# Altium PCB Tango V1.0.PcbDoc (part 1 of 3) (continued)
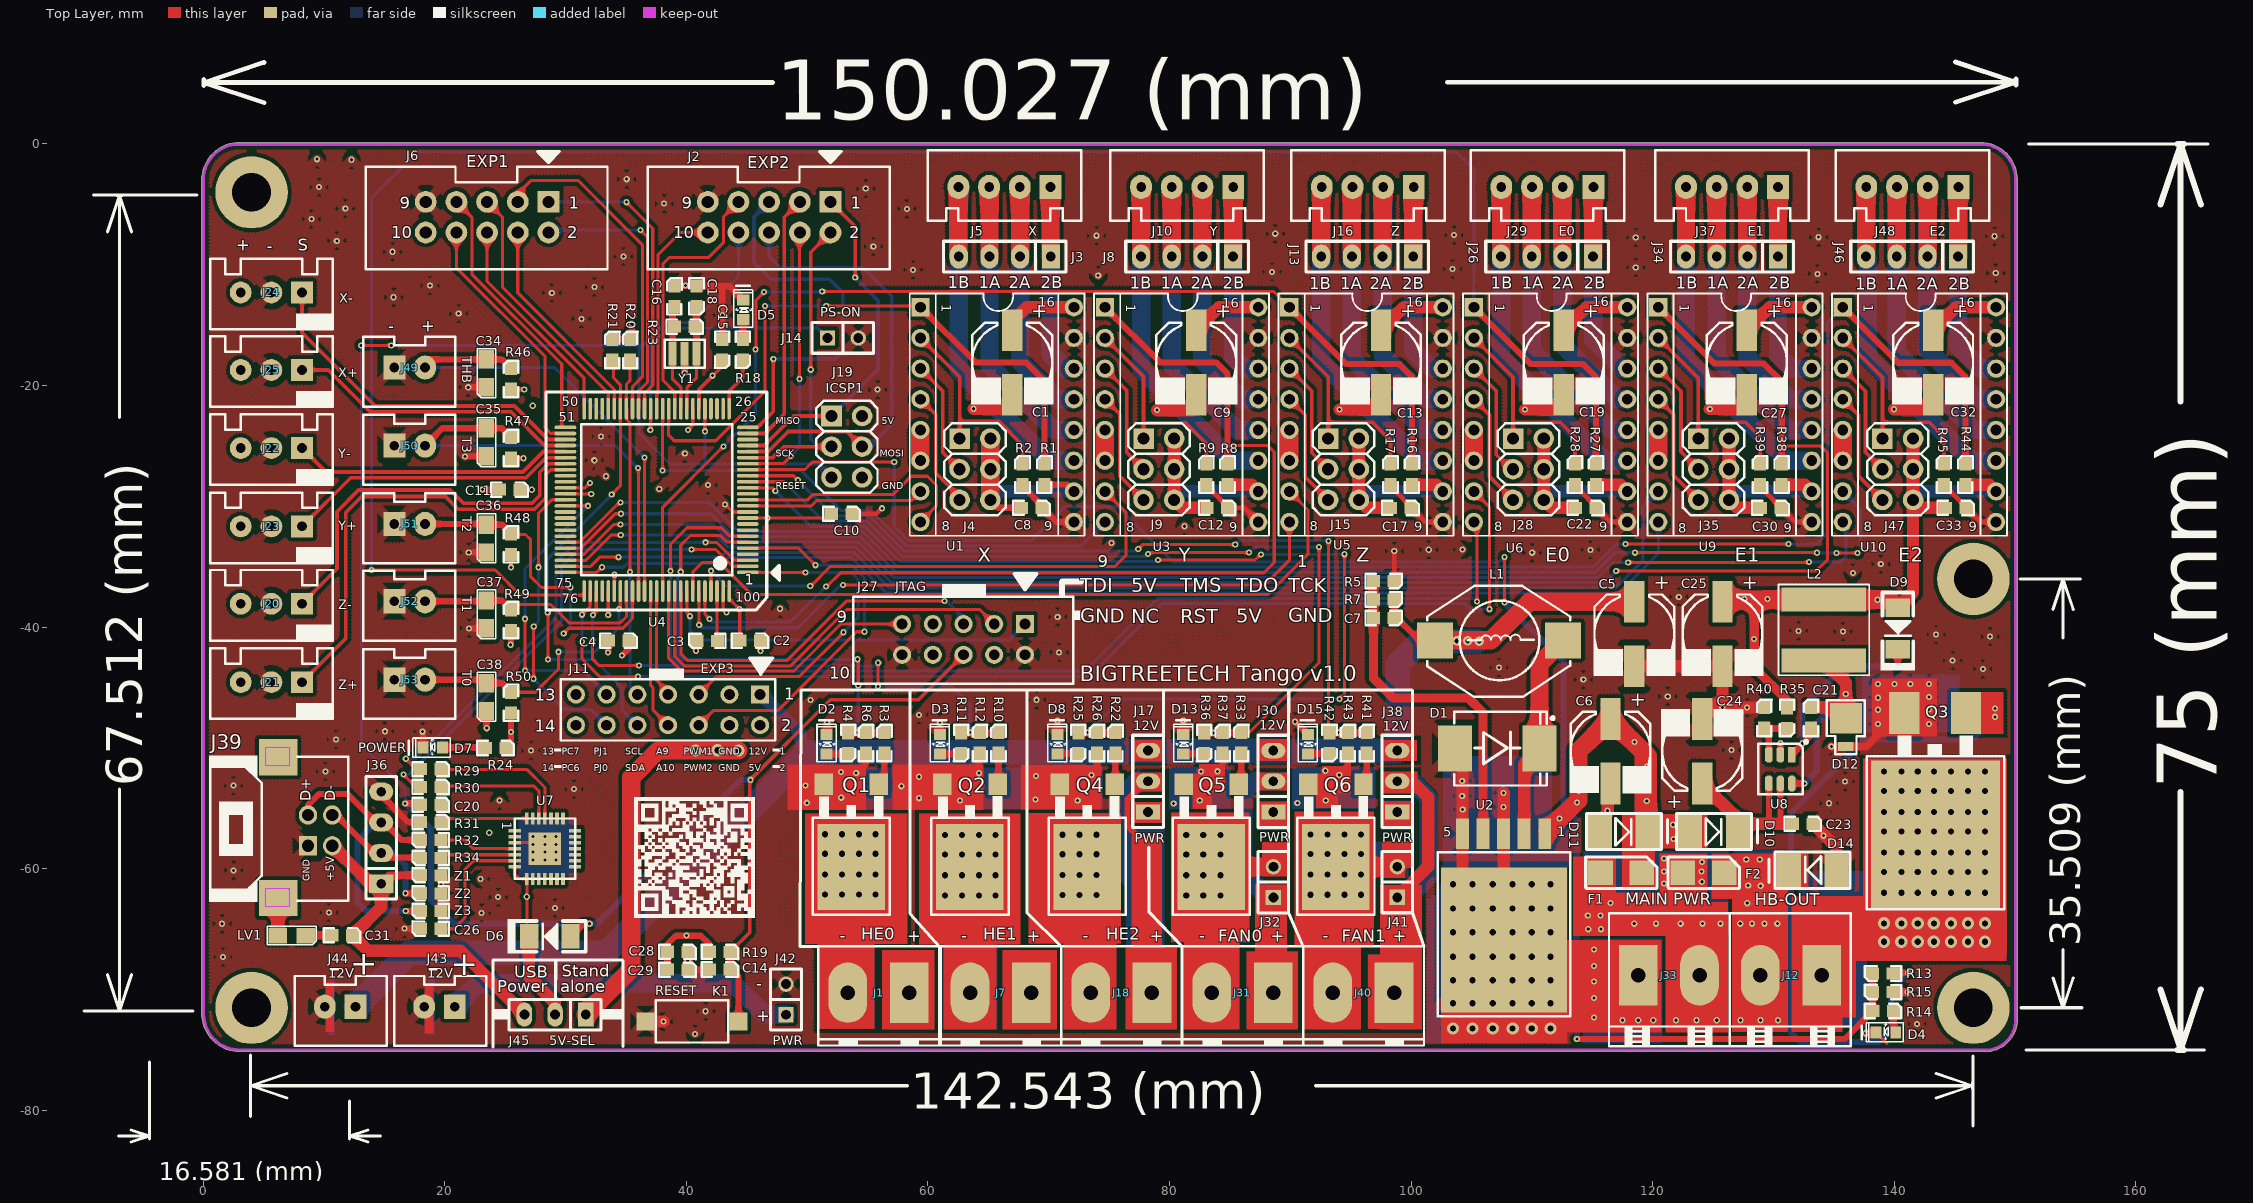
[diagram p0: Top Layer view]
## Components (designator, comment, footprint, x,y, rotation, side; value= is the part's Value field where it differs from the comment) (continued)
J16 "Z" 2.54-4P-2 100.225,-3.555 r270 top locked
J17 "VHE2" SIP3 78.297,-52.8 r90 top
J18 "HE2" 5.08-2-B 78.541,-70.259 r180 top locked
J19 "ICSP1" "Header 3X2" 54.606,-22.444 r270 top locked
J20 "Z-" 2.54-3P-2 8.181,-38.063 r180 top locked
J21 "Z+" 2.54-3P-2 8.181,-44.554 r180 top locked
J22 "Y-" 2.54-3P-2 8.181,-25.175 r180 top locked
J23 "Y+" 2.54-3P-2 8.181,-31.658 r180 top locked
J24 "X-" 2.54-3P-2 8.181,-12.293 r180 top locked
J25 "X+" 2.54-3P-2 8.181,-18.709 r180 top locked
J26 "SIP4" SIP4 107.444,-9.324 r180 top
J27 "JTAG" "Header 5X2" 61.381,-41.971 r0 top locked
J28 "SW-DIP-3A" "Header 3X2-B" 109.643,-27.096 r270 top
J29 "E0" 2.54-4P-2 115.09,-3.555 r270 top locked
J30 "VFA0" SIP3 88.666,-52.8 r90 top
J31 "FAN0" 5.08-2-B 88.574,-70.259 r180 top locked
J32 "SIP2" SIP2 88.568,-61.668 r90 top
J33 "MAIN PWR" 5.08-2 118.793,-68.82 r0 top locked
J34 "SIP4" SIP4 122.754,-9.324 r180 top
J35 "SW-DIP-3A" "Header 3X2-B" 124.98,-27.096 r270 top
J36 "SIP4" SIP4 14.731,-53.622 r90 top
J37 "E1" 2.54-4P-2 130.374,-3.555 r270 top locked
J38 "VFA1" SIP3 98.925,-52.8 r90 top
J39 "USB" USB-B-3 7.14,-61.667 r0 top locked
J40 "FAN1" 5.08-2-B 98.581,-70.259 r180 top locked
J41 "SIP2" SIP2 98.824,-61.662 r90 top
J42 "PWR" SIP2 48.221,-71.384 r90 top
J43 "12V" 2.54-2P-2#1 20.835,-71.437 r270 top
J44 "12V" 2.54-2P-2#1 12.613,-71.437 r270 top
J45 "5V-SEL" SIP3 29.166,-72.003 r180 top
J46 "SIP4" SIP4 137.662,-9.324 r180 top
J47 "SW-DIP-3A" "Header 3X2-B" 140.222,-27.096 r270 top
J48 "E2" 2.54-4P-2 145.308,-3.555 r270 top locked
J49 "THB" 2.54-2P-2#2 15.819,-18.521 r270 top locked
J50 "T3" 2.54-2P-2#2 15.819,-24.987 r270 top locked
J51 "T2" 2.54-2P-2#2 15.819,-31.47 r270 top locked
J52 "T1" 2.54-2P-2#2 15.819,-37.875 r270 top locked
J53 "T0" 2.54-2P-2#2 15.819,-44.366 r270 top locked
K1 "RESET" K-VX 40.415,-72.749 r180 top
L1 "47MH" 15MH 106.862,-41.076 r270 top
L2 "33MH" 7.5*7.5 130.413,-43.97 r90 top
LV1 "BLM21PG220SN1D" 0805N 7.215,-65.498 r180 top
Q1 "WSF3085" TO-252-B 53.534,-59.807 r180 top
Q2 "WSF3085" TO-252-B 63.361,-59.807 r180 top
Q3 "WSK220N04" TO-263-B 143.581,-57.297 r180 top locked
Q4 "WSF3085" TO-252-B 73.07,-59.807 r180 top
Q5 "WSF3085" TO-252-B 83.342,-59.807 r180 top
Q6 "WSF3085" TO-252-B 93.654,-59.807 r180 top
R1 "10K" 0603N#1 69.591,-28.161 r90 top
R2 "100K" 0603N#1 67.783,-28.161 r90 top
R3 "10R" 0603N#1 56.346,-50.396 r90 top
R4 "1K" 0603N#1 53.433,-48.782 r270 top
R5 "1K" 0603N#2 96.926,-36.225 r0 top
R6 "100K" 0603N#1 54.828,-50.396 r90 top
R7 "9.1K" 0603N#2 96.926,-37.752 r0 top
R8 "10K" 0603N#1 84.758,-28.161 r90 top
R9 "100K" 0603N#1 82.994,-28.161 r90 top
R10 "10R" 0603N#1 65.791,-50.396 r90 top
R11 "1K" 0603N#1 62.79,-48.782 r270 top
R12 "100K" 0603N#1 64.243,-50.396 r90 top
R13 "10R" 0603N#1 139.871,-68.715 r180 top
R14 "1K" 0603N#1 138.257,-71.734 r0 top
R15 "100K" 0603N#1 139.871,-70.259 r180 top
R16 "10K" 0603N#1 100.018,-28.161 r90 top
R17 "100K" 0603N#1 98.246,-28.161 r90 top
R18 "1K" 0603N#1 44.716,-16.227 r270 top
R19 "10K" 0603N#1 41.958,-66.831 r0 top
R20 "10K" 0603N#1 35.305,-17.862 r90 top
R21 "10K" 0603N#1 33.822,-17.862 r90 top
R22 "10R" 0603N#1 75.472,-50.396 r90 top
R23 "1M" 0603N#1 39.054,-15.081 r0 top
R24 "1K" 0603N#1 23.397,-49.966 r0 top
R25 "1K" 0603N#1 72.485,-48.782 r270 top
R26 "100K" 0603N#1 73.953,-50.396 r90 top
R27 "10K" 0603N#1 115.25,-28.161 r90 top
R28 "100K" 0603N#1 113.51,-28.161 r90 top
R29 "1K" 0603N#1 18.025,-51.717 r0 top
R30 "1K" 0603N#1 18.025,-53.182 r0 top
R31 "1K" 0603N#1 18.025,-56.105 r0 top
R32 "22R" 0603N#1 19.639,-57.675 r180 top
R33 "10R" 0603N#1 85.894,-50.396 r90 top
R34 "22R" 0603N#1 19.639,-59.153 r180 top
R35 "51K" 0603N#1 131.164,-46.71 r270 top
R36 "1K" 0603N#1 82.914,-48.782 r270 top
R37 "100K" 0603N#1 84.349,-50.396 r90 top
R38 "10K" 0603N#1 130.628,-28.161 r90 top
R39 "100K" 0603N#1 128.845,-28.161 r90 top
R40 "10K" 0603N#1 129.186,-48.324 r90 top
R41 "10R" 0603N#1 96.28,-50.396 r90 top
R42 "1K" 0603N#1 93.279,-48.782 r270 top
R43 "100K" 0603N#1 94.715,-50.396 r90 top
R44 "10K" 0603N#1 145.839,-28.161 r90 top
R45 "100K" 0603N#1 144.052,-28.161 r90 top
R46 "4.7K" 0603N#1 25.436,-20.268 r90 top
R47 "4.7K" 0603N#1 25.436,-25.974 r90 top
R48 "4.7K" 0603N#1 25.436,-33.944 r90 top
R49 "4.7K" 0603N#1 25.436,-40.229 r90 top
R50 "4.7K" 0603N#1 25.436,-47.065 r90 top
U1 "A4988" A4988 72.106,-13.503 r270 top locked
U2 "LM2596-ADJ" TO-263(S) 113.171,-72.185 r180 top locked
U3 "A4988" A4988 87.377,-13.503 r270 top locked
U4 "ATMEGA2560-16AU-2" TQFP-100-B 36.747,-29.296 r180 top locked
U5 "A4988" A4988 102.649,-13.503 r270 top locked
U6 "A4988" A4988 117.92,-13.503 r270 top locked
U7 "CP2102" QFN-28 28.142,-58.366 r0 top
U8 "LT193ES6" SOT23-6 131.192,-51.88 r180 top
U9 "A4988" A4988 133.192,-13.503 r270 top locked
U10 "A4988" A4988 148.463,-13.503 r270 top locked
Y1 "16MHZ" SMD-3 39.857,-17.374 r180 top
Z1 "JLV1608A5R0NPST" 0603N#1 19.639,-60.586 r180 top
Z2 "JLV1608A5R0NPST" 0603N#1 19.639,-62.083 r180 top
Z3 "JLV1608A5R0NPST" 0603N#1 19.639,-63.537 r180 top

## Footprints (in the part's own frame and the unit in brackets; to place one, negate y for a bottom-side part, rotate by r counter-clockwise, add the part's x,y. Pads: shape width x height; smd on the part's side, far side on the other; paste and mask are expansions set on the pad)
2.54-2P-2#1 [mm] "J?"
  rect 2x1.8 hole 0.8: 1(-0.015,-0.005)
  oval 2x1.8 hole 0.8: 2(-0.015,-2.545)
  silkscreen extent -2.56,-5.03 3.24,2.59
2.54-2P-2#2 [mm] "J?"
  rect 2x1.8 hole 0.8: 1(-0.015,0.005)
  oval 2x1.8 hole 0.8: 2(-0.015,2.545)
  silkscreen extent -2.56,-2.59 3.24,5.03
2.54-3P-2 [mm] "J?"
  rect 1.8x1.8 hole 0.8: 1(0,0)
  round 1.8 hole 0.8: 2(2.54,0) 3(5.08,0)
  silkscreen extent -2.54,-2.79 7.62,3.05
2.54-4P-2 [mm] "J?"
  rect 2x1.8 hole 0.8: 1(0,0)
  oval 2x1.8 hole 0.8: 2(0,-2.54) 3(0,-5.08) 4(0,-7.62)
  silkscreen extent -3.05,-10.16 2.79,2.54
5.08-2 [mm] "J?"
  rect 3.2x5 hole 1.2: 1(0,0)
  oval 3.2x5 hole 1.2: 2(5.08,0)
  silkscreen extent -2.41,-5.13 7.59,5.87
5.08-2-B [mm] "J?"
  rect 3.2x5 hole 1.2: 1(0,0)
  oval 3.2x5 hole 1.2: 2(5.08,0)
  silkscreen extent -2.48,-3.83 7.52,4.4
7.5*7.5 [mm] "L?"
  rect 2x7 smd: 1(1.207,-3.731) 2(6.251,-3.731)
  silkscreen extent 0,-7.5 7.5,0
15MH [mm] "L?"
  rect 3x3 smd: 1(0.025,5.707) 2(0.025,-4.884)
  silkscreen extent -4.5,-5.54 4.7,6.29
35V/100UF-2 [mil] "C?"
  rect 66x136 smd: 1(1.5,109.7) 2(1.5,-100.3)
  silkscreen extent -130,-132 135,134
0603N#1 [mm]
  rect 1.1x1 smd: 1(-0.044,-0.041) 2(1.676,-0.051)
  silkscreen extent -0.7,-0.65 2.32,0.55
0603N#2 [mm]
  rect 1.1x1 smd: 1(-0.044,0.041) 2(1.676,0.051)
  silkscreen extent -0.7,-0.55 2.32,0.65
0805N [mil]
  rect 60x50 smd: 1(-50,2) 2(41,2)
  silkscreen extent -84,-29 76,32
1206 [mil]
  rect 80x80 smd: 1(-59,-5) 2(76,-5)
  silkscreen extent -108,-56 124,46
1206-DIDEO [mil] "D?"
  rect 60x78.74 smd: 1(-82,1) 2(53,1)
  silkscreen extent -132,-55 123,57
A4988 [mm] "U?"
  rect 1.51x1.51 hole 0.9: 1(0.013,-12.732)
  round 1.51 hole 0.9: 2(2.553,-12.732) 3(5.093,-12.732) 4(7.633,-12.732) 5(10.173,-12.732) 6(12.713,-12.732) 7(15.253,-12.732) 8(17.793,-12.732) 9(17.793,-0.032) 10(15.253,-0.032) 11(12.713,-0.032) 12(10.173,-0.032) 13(7.633,-0.032) 14(5.093,-0.032) 15(2.553,-0.032) 16(0.013,-0.032)
  silkscreen extent -1.13,-13.62 18.94,0.86
DO-214AB [mm] "D?"
  rect 3.8x2.8 smd: 1(0.161,-3.766) 2(0.161,3.234)
  silkscreen extent -2.89,-3.82 3.21,4.44
DO-214AC [mm] "D?"
  rect 2x2.8 smd: 1(-1.948,0.009) 2(2.015,0.009)
  silkscreen extent -3.07,-1.49 3.64,1.51
"Header 3X2" [mm] "J?"
  rect 1.7x1.7 hole 1: 1(0.076,-2.596)
  round 1.7 hole 1: 2(0.076,-0.056) 3(2.616,-2.596) 4(2.616,-0.056) 5(5.156,-2.596) 6(5.156,-0.056)
  silkscreen extent -1.19,-3.87 6.43,1.21
"Header 3X2-B" [mm] "J?"
  rect 1.7x1.7 hole 1: 1(-2.71,-1.207)
  round 1.7 hole 1: 2(-0.17,-1.206) 3(2.37,-1.206) 4(2.37,1.334) 5(-0.17,1.333) 6(-2.71,1.333)
  silkscreen extent -3.98,-2.48 3.64,2.6
"Header 5X2" [mm] "J?"
  rect 1.5x1.5 hole 0.9: 1(6.641,2.224)
  round 1.5 hole 0.9: 2(6.641,-0.316) 3(4.101,2.224) 4(4.101,-0.316) 5(1.561,2.224) 6(1.561,-0.316) 7(-0.979,2.224) 8(-0.979,-0.316) 9(-3.519,2.224) 10(-3.519,-0.316)
  silkscreen extent -7.55,-2.7 10.65,5.54
"Header 7X2" [mm] "J?"
  rect 1.5x1.5 hole 0.9: 1(-5.753,0.329)
  round 1.5 hole 0.9: 2(-5.753,2.869) 3(-3.213,0.329) 4(-3.213,2.869) 5(-0.673,0.329) 6(-0.673,2.869) 7(1.867,0.329) 8(1.867,2.869) 9(4.407,0.329) 10(4.407,2.869) 11(6.947,0.329) 12(6.947,2.869) 13(9.487,0.329) 14(9.487,2.869)
  silkscreen extent -7.02,-0.94 10.76,4.14
IDC10-2.54 [mm] "J?"
  rect 1.8x1.8 hole 1: 1(15.113,5.588)
  round 1.8 hole 1: 2(15.113,3.048) 3(12.573,5.588) 4(12.573,3.048) 5(10.033,5.588) 6(10.033,3.048) 7(7.493,5.588) 8(7.493,3.048) 9(4.953,5.588) 10(4.953,3.048)
  silkscreen extent 0,0 20,9.75
K-VX [mm] "K?"
  rect 1.5x1.5 smd: 1(3.807,-0.113) 2(-3.893,-0.113)
  silkscreen extent -3.04,-1.86 2.96,1.64
LED-0603 [mm]
  rect 0.9x1 smd: 1(0,0) 2(1.626,0)
  silkscreen extent -0.64,-0.79 2.8,0.79
MBRM140 [mm] "D?"
  rect 0.762x1.27 smd: 1(-1.327,-0.19)
  rect 2.54x2.67 smd: 2(1.024,-0.215)
  silkscreen extent -1.95,-1.79 2.52,1.36
QFN-28 [mm] "U?"
  round 0.4 on Top Overlay: 0(-3.2,1.549)
  rect 2.7x2.7 smd: 0(0.145,0.024)
  rect 1x0.3 smd: 1(-2.355,1.524) 2(-2.355,1.024) 3(-2.355,0.524) 4(-2.355,0.024) 5(-2.355,-0.476) 6(-2.355,-0.976) 7(-2.355,-1.476) 15(2.645,-1.476) 16(2.645,-0.976) 17(2.645,-0.476) 18(2.645,0.024) 19(2.645,0.524) 20(2.645,1.024) 21(2.645,1.524)
  rect 0.3x1 smd: 8(-1.355,-2.476) 9(-0.855,-2.476) 10(-0.355,-2.476) 11(0.145,-2.476) 12(0.645,-2.476) 13(1.145,-2.476) 14(1.645,-2.476) 22(1.645,2.524) 23(1.145,2.524) 24(0.645,2.524) 25(0.145,2.524) 26(-0.355,2.524) 27(-0.855,2.524) 28(-1.355,2.524)
  silkscreen extent -2.35,-2.48 2.65,2.52
SIP2 [mil] "J?"
  rect 50x50 hole 32: 1(-28,-1)
  round 50 hole 32: 2(72,-1)
  silkscreen extent -78,-51 122,49
SIP3 [mil] "J?"
  rect 50x78.74 hole 32: 1(-98.5,3)
  oval 50x78.74 hole 32: 2(1.5,3) 3(101.5,3)
  silkscreen extent -148,-47 152,53
SIP4 [mm] "J?"
  rect 1.5x2 hole 0.813: 1(-7.62,0)
  oval 1.5x2 hole 0.813: 2(-5.08,0) 3(-2.54,0) 4(0,0)
  silkscreen extent -8.89,-1.27 1.27,1.27
SMD-3 [mil] "Y?"
  rect 26x76 smd: 1(-38.87,-0.11) 2(0.13,-0.11) 3(39.13,-0.11)
  silkscreen extent -65,-46 65,46
SOT23-6 [mm] "U?"
  rect 0.6x1.3 smd: 1(-0.323,-1.316)
  oct 0.6x1.3 smd: 2(0.627,-1.316) 3(1.577,-1.316) 4(1.577,1.034) 5(0.627,1.059) 6(-0.323,1.059)
  silkscreen extent -1.62,-2.52 2.45,1.96, body extent -0.87,-0.99 2.13,0.71, height 1.45
TO-252-B [mil] "Q?"
  rect 220x280 smd: D(-4.4,2.1)
  rect 60x70 smd: G(-94.4,-267.9) S(85.6,-267.9)
  silkscreen extent -130,-229 122,158
TO-263(S) [mm] "U?"
  rect 1.07x2.5 smd: 1(2.113,-15.075) 2(3.813,-15.075) 3(5.513,-15.075) 4(7.213,-15.075) 5(8.913,-15.075)
  rect 10.41x12 smd: 6(5.486,-6.269)
  silkscreen extent 0,-13.56 10.98,0.04
TO-263-B [mil] "Q?"
  rect 420x480 smd: D(7.1,-5.7)
  rect 98.43x137.8 smd: G(-92.9,-401) S(108.5,-401)
  silkscreen extent -217,-328 231,238
TQFP-100-B [mm] "U?"
  oval 1.8x0.3 smd: 1(-8.337,6.168) 2(-8.337,5.668) 3(-8.337,5.168) 4(-8.337,4.668) 5(-8.337,4.168) 6(-8.337,3.668) 7(-8.337,3.168) 8(-8.337,2.668) 9(-8.337,2.168) 10(-8.337,1.668) 11(-8.337,1.168) 12(-8.337,0.668) 13(-8.337,0.168) 14(-8.337,-0.332) 15(-8.337,-0.832) 16(-8.337,-1.332) 17(-8.337,-1.832) 18(-8.337,-2.332) 19(-8.337,-2.832) 20(-8.337,-3.332) 21(-8.337,-3.832) 22(-8.337,-4.332) 23(-8.337,-4.832) 24(-8.337,-5.332) 25(-8.337,-5.832) 51(6.763,-5.832) 52(6.763,-5.332) 53(6.763,-4.832) 54(6.763,-4.332) 55(6.763,-3.832) 56(6.763,-3.332) 57(6.763,-2.832) 58(6.763,-2.332) 59(6.763,-1.832) 60(6.763,-1.332) 61(6.763,-0.832) 62(6.763,-0.332) 63(6.763,0.168) 64(6.763,0.668) 65(6.763,1.168) 66(6.763,1.668) 67(6.763,2.168) 68(6.763,2.668) 69(6.763,3.168) 70(6.763,3.668) 71(6.763,4.168) 72(6.763,4.668) 73(6.763,5.168) 74(6.763,5.668) 75(6.763,6.168)
  oval 0.3x1.8 smd: 26(-6.787,-7.382) 27(-6.287,-7.382) 28(-5.787,-7.382) 29(-5.287,-7.382) 30(-4.787,-7.382) 31(-4.287,-7.382) 32(-3.787,-7.382) 33(-3.287,-7.382) 34(-2.787,-7.382) 35(-2.287,-7.382) 36(-1.787,-7.382) 37(-1.287,-7.382) 38(-0.787,-7.382) 39(-0.287,-7.382) 40(0.213,-7.382) 41(0.713,-7.382) 42(1.213,-7.382) 43(1.713,-7.382) 44(2.213,-7.382) 45(2.713,-7.382) 46(3.213,-7.382) 47(3.713,-7.382) 48(4.213,-7.382) 49(4.713,-7.382) 50(5.213,-7.382) 76(5.213,7.718) 77(4.713,7.718) 78(4.213,7.718) 79(3.713,7.718) 80(3.213,7.718) 81(2.713,7.718) 82(2.213,7.718) 83(1.713,7.718) 84(1.213,7.718) 85(0.713,7.718) 86(0.213,7.718) 87(-0.287,7.718) 88(-0.787,7.718) 89(-1.287,7.718) 90(-1.787,7.718) 91(-2.287,7.718) 92(-2.787,7.718) 93(-3.287,7.718) 94(-3.787,7.718) 95(-4.287,7.718) 96(-4.787,7.718) 97(-5.287,7.718) 98(-5.787,7.718) 99(-6.287,7.718) 100(-6.787,7.718)
  silkscreen extent -10.95,-8.76 8.38,9.27
USB-B-3 [mm] "J?"
  rect 3.2x3 all layers, no hole: 0(-0.94,10.897) 5(-0.94,-0.762)
  rect 1.5x1.6 hole 1: 1(1.531,3.569)
  oval 1.5x1.6 hole 1: 2(1.531,6.109) 3(3.538,6.109) 4(3.538,3.569)
  Keep-Out Layer lines w0.127: -2,-1.5 -2,0 0,0 0,-1.5 -2,-1.5 ; -1.975,10.209 -1.975,11.709 0.025,11.709 0.025,10.209 -1.975,10.209
  silkscreen extent -6.58,-1.1 4.86,11.04

## Part data
C1 C5 C6 C9 C13 C19 C24 C25 C27 C32: library part C
C2 C3 C4 C7 C8 C10 C11 C12 C14 C15 C16 C17 C18 C20 C21 C22 C23 C26 C28 C29 C30 C31 C33 C34 C35 C36 C37 C38: library part CAP
D1 D12: library part ZENEVR
D6 D9 D10 D11 D14: library part DIODE
D7: library part LED
F1 F2: library part FUSE
J1 J7 J12 J14 J18 J31 J33 J40 J42 J43 J44 J49 J50 J51 J52 J53: library part SIP2
J2 J6 J27: library part SIP10
J5 J10 J16 J29 J37 J48: library part SIP4
J11: library part SIP14
J17 J20 J21 J22 J23 J24 J25 J30 J38 J45: library part SIP3
J19: library part SIP6
J39: library part SIP5-USB
K1: library part K3
L1 L2: library part L1
LV1: library part L
Q1 Q2 Q4 Q5 Q6: library part VS3060AD
Q3: library part NMOS
R1 R2 R3 R4 R5 R6 R7 R8 R9 R10 R11 R12 R13 R14 R15 R16 R17 R18 R19 R20 R21 R22 R23 R24 R25 R26 R27 R28 R29 R30 R31 R32 R33 R34 R35 R36 R37 R38 R39 R40 R41 R42 R43 R44 R45 R46 R47 R48 R49 R50: library part RES
U2: library part LM2596
U8: library part LT1933ES6
Y1: library part SMD-3
Z1 Z2 Z3: library part RV?

## Free pads (board coordinates)
  round 6 hole 3.2: 1(4,-4) 2(146.543,-36.003) 3(146.543,-71.512) 4(4,-71.512)

## Via types
v1: diameter 0.508, hole 0.254, Top Layer to Bottom Layer, 362 vias
v2: diameter 1.016, hole 0.508, Top Layer to Bottom Layer, 180 vias
v3: diameter 0.8, hole 0.4, Top Layer to Bottom Layer, 3 vias

## Nets (pads, with @x,y where several pads share a name; then routed paths per layer and width w, separated by ;. In a path a pad name is that pad's centre, name@x,y a point inside that pad or via, vN(x,y) a via of type N, cw(c..) or ccw(c..) an arc to the next point about the centre after c; other vN are vias at no path point)
5V-DCDC: C8.1 C12.1 C17.1 C22.1 C25.1 C30.1 C33.1 D9.1 J4.4 J4.5 J4.6 J9.4 J9.5 J9.6 J15.4 J15.5 J15.6 J28.4 J28.5 J28.6 J35.4 J35.5 J35.6 J45.1 J47.4 J47.5 J47.6 L2.2 R1.1 R8.1 R16.1 R27.1 R35.1 R38.1 R44.1 U1.10 U3.10 U5.10 U6.10 U9.10 U10.10 | length 202.4
  Top Layer w0.508: J4.4@65.159,-29.466 65.813,-30.12 C8.1@67.734,-30.12 ; R1.1@69.632,-28.205 71.523,-28.205 U1.10@72.074,-28.755
  Top Layer w0.762: 128.41,-37.72 128.41,-43.364 131.123,-46.076 R35.1@131.123,-46.667
  Top Layer w1.016: J9.6@80.384,-24.386 J9.5@80.384,-26.926 J9.4@80.384,-29.466 81.038,-30.12 C12.1@83.094,-30.12 ; R8.1@84.799,-28.205 86.795,-28.205 U3.10@87.346,-28.755 ; J15.6@95.669,-24.386 J15.5@95.669,-26.926 J15.4@95.669,-29.466 96.323,-30.12 C17.1@98.271,-30.12 ; R16.1@100.059,-28.205 102.067,-28.205 U5.10@102.617,-28.755 ; J28.6@110.977,-24.386 J28.5@110.977,-26.926 J28.4@110.977,-29.466 111.631,-30.12 C22.1@113.6,-30.12 ; R27.1@115.291,-28.205 117.338,-28.205 U6.10@117.889,-28.755 ; J35.6@126.314,-24.386 J35.5@126.314,-26.926 J35.4@126.314,-29.466 126.968,-30.12 C30.1@128.906,-30.12 ; R38.1@130.669,-28.205 132.61,-28.205 U9.10@133.16,-28.755 ; D9.1@140.288,-38.401 141.555,-37.135 J47.4@141.555,-29.466 ; J47.6@141.555,-24.386 J47.5@141.555,-26.926 J47.4@141.555,-29.466 ; C33.1@144.235,-30.121 142.21,-30.121 J47.4@141.555,-29.466 ; R44.1@145.88,-28.205 147.881,-28.205 U10.10@148.432,-28.755
  Top Layer w1.524: J45.1@31.668,-72.079 35.444,-68.303 35.444,-52.427 37.66,-50.212 v2(44.304,-50.212) ; J4.4@65.159,-29.466 J4.5@65.159,-26.926 J4.6@65.159,-24.386 ; C25.1@125.774,-37.908 125.962,-37.72 128.41,-37.72 L2.2@134.144,-37.72 139.606,-37.72 D9.1@140.288,-38.401
  Bottom Layer w1.016: J4.4@65.159,-29.466 65.87,-28.755 U1.10@72.074,-28.755 ; J9.6@80.384,-24.386 J9.5@80.384,-26.926 J9.4@80.384,-29.466 81.095,-28.755 U3.10@87.346,-28.755 ; J15.6@95.669,-24.386 J15.5@95.669,-26.926 J15.4@95.669,-29.466 96.38,-28.755 U5.10@102.617,-28.755 ; J28.6@110.977,-24.386 J28.5@110.977,-26.926 110.977,-28.582 111.15,-28.755 U6.10@117.889,-28.755 ; J35.6@126.314,-24.386 J35.5@126.314,-26.926 J35.4@126.314,-29.466 127.025,-28.755 U9.10@133.16,-28.755 ; J47.6@141.555,-24.386 J47.5@141.555,-26.926 J47.4@141.555,-29.466 142.266,-28.755 U10.10@148.432,-28.755
  Bottom Layer w1.524: J4.4@65.159,-29.466 J4.5@65.159,-26.926 J4.6@65.159,-24.386
  other v1: 128.396,-40.969 138.622,-37.73 127.608,-37.675 129.498,-37.683
  other v2: 40.752,-50.21 42.574,-50.196
+5V: C2.1 C4.1 C10.1 C11.2 C15.2 C28.1 C29.1 D6.2 J6.10 J11.2 J19.2 J20.3 J21.3 J22.3 J23.3 J24.3 J25.3 J27.4 J27.7 J45.2 R19.1 R20.2 R21.2 R24.2 R46.1 R47.1 R48.1 R49.1 R50.1 U4.10 U4.31 U4.61 U4.80 U4.100 U7.7 U7.8 | length 53.5
  Top Layer w0.254: U7.7@25.787,-59.842 25.787,-60.451 26.15,-60.813 26.758,-60.813 U7.8@26.787,-60.842 26.787,-65.404 D6.2@26.974,-65.591 ; U4.61@29.984,-28.465 31.611,-28.465 v1(32.024,-28.051) ; C4.1@33.525,-41.116 C4.1@33.534,-41.107 ; U4.100@43.534,-37.015 43.534,-37.647 v1(44.399,-38.511) ; v1@44.39,-38.519 44.417,-38.546 C2.1@44.417,-41.116 ; U4.10@45.084,-30.965 51.654,-30.965 C10.1@52.004,-30.615
  Top Layer w0.305: v1(25.477,-35.046) R48.1@25.477,-33.988 ; R47.1@25.477,-26.018 v1(26.503,-26.018) ; R46.1@25.477,-20.312 26.563,-20.312 v1(26.573,-20.322) ; C11.2@26.226,-28.623 v1(27.196,-28.623) v1@27.201,-28.618 ; v1(33.524,-38.989) 33.524,-37.025 U4.80@33.534,-37.015 ; U4.31@41.034,-21.915 41.034,-20.334 42.957,-18.411 C15.2@42.957,-17.904
  Top Layer w0.508: R24.2@25.074,-50.017 25.477,-49.614 R50.1@25.477,-47.108 ; v1@25.449,-41.482 25.477,-41.454 R49.1@25.477,-40.273 ; v1(33.522,-42.104) 33.522,-41.119 C4.1@33.525,-41.116 ; R21.2@33.98,-16.165 35.475,-16.165 v1(35.476,-14.886) ; C29.1@38.423,-68.36 38.423,-66.876 C28.1@38.427,-66.873 38.427,-66.247 39.127,-65.547 41.19,-65.547 41.914,-66.271 R19.1@41.914,-66.872
  Top Layer w1.016: D6.2@26.974,-65.591 26.974,-68.953 29.128,-71.107 J45.2@29.128,-72.079
  other v1: 40.006,-65.535 26.781,-62.319 25.492,-48.691 25.449,-41.455 46.716,-30.977 42.158,-19.184
+12V: C5.1 C7.2 J11.1 J17.3 J30.3 J38.3 J44.1 L1.2 R7.2 | length 186.5
  Top Layer w0.508: R7.2@98.602,-37.701 C7.2@98.602,-39.236 98.814,-39.236 100.679,-41.101 L1.2@101.978,-41.101
  Top Layer w1.524: L1.2@101.978,-41.101 104.69,-41.101 106.593,-41.101 109.786,-37.908 C5.1@118.48,-37.908
  Bottom Layer w1.016: J11.1@46.097,-45.576 46.205,-45.576 49.465,-48.837 49.465,-50.253 76.223,-50.253 ; J17.3@78.221,-50.222 J30.3@88.59,-50.222 J38.3@98.849,-50.222
  Bottom Layer w2.032: J44.1@12.608,-71.422 17.07,-66.959 33.382,-66.959 49.997,-50.345 76.223,-50.345 ; 76.223,-50.253 98.818,-50.253 J38.3@98.849,-50.222 98.893,-50.178 98.893,-43.066 100.776,-41.183 v3@105.381,-41.183
  other v3: 105.641,-41.162 103.769,-41.135 104.69,-41.135
A9: J11.7 U4.88 | length 9
  Top Layer w0.254: U4.88@37.534,-37.015 37.534,-44.396 38.477,-45.339 J11.7@38.477,-45.576
A10: J11.8 U4.87 | length 11.7
  Top Layer w0.254: U4.87@37.034,-37.015 37.034,-44.823 37.244,-45.032 37.244,-46.883 J11.8@38.477,-48.116
AREF: C3.1 U4.98 | length 4.1
  Top Layer w0.254: U4.98@42.534,-37.015 42.534,-41.095 C3.1@42.575,-41.136
BEEPER: J6.1 U4.40 | length 24.8
  Top Layer w0.254: v1(35.04,-4.82) 37.215,-6.995 37.215,-19.968 36.534,-20.649 U4.40@36.534,-21.915
  Bottom Layer w0.254: J6.1@28.578,-4.789 35.009,-4.789 v1(35.04,-4.82)
BTN-EN1: J2.5 U4.25 | length 31.8
  Top Layer w0.305: U4.25@45.084,-23.465 45.867,-23.465 47.194,-22.137 v1(47.194,-17.794)
  Bottom Layer w0.305: J2.5@46.849,-4.789 45.591,-6.047 45.591,-9.805 46.973,-11.187 51.821,-11.187 52.938,-12.304 52.938,-17.173 52.317,-17.794 v1(47.194,-17.794)
BTN-EN2: J2.3 U4.24 | length 21.8
  Top Layer w0.305: U4.24@45.084,-23.965 46.505,-23.965 48.108,-22.362 48.108,-6.07 J2.3@49.389,-4.789
BTN-ENC: J6.2 U4.41 | length 23
  Top Layer w0.254: U4.41@36.034,-21.915 36.052,-21.897 36.052,-20.449 36.783,-19.718 36.783,-7.719 v1(36.191,-7.126)
  Bottom Layer w0.254: J6.2@28.578,-7.329 28.781,-7.126 v1(36.191,-7.126)
D+: J36.3 J39.2 R32.2 Z3.2 | length 25.3
  Top Layer w0.508: J39.2@8.671,-55.558 8.671,-54.737 9.6,-53.808 11.922,-53.808 14.276,-56.162 J36.3@14.731,-56.162 14.953,-56.162 16.415,-57.624 R32.2@17.963,-57.624 ; v1(16.767,-63.512) 17.936,-63.512 Z3.2@17.963,-63.486
  Bottom Layer w0.508: J36.3@14.731,-56.162 14.248,-56.162 12.783,-57.627 12.783,-62.796 13.498,-63.512 v1(16.767,-63.512)
D-: J36.2 J39.3 R34.2 Z2.2 | length 14.7
  Top Layer w0.508: J39.3@10.677,-55.558 11.029,-55.558 14.173,-58.702 J36.2@14.731,-58.702 15.108,-59.079 17.939,-59.079 R34.2@17.963,-59.102 ; v1@16.741,-62.038 v1(16.746,-62.032) Z2.2@17.963,-62.032
  Bottom Layer w0.508: J36.2@14.731,-58.702 15.741,-58.702 16.746,-59.707 v1(16.746,-62.032)
E0-DIR: U4.78 U6.8 | length 88.7
  Top Layer w0.254: v1(32.235,-41.059) 32.241,-41.059 32.241,-42.669 32.741,-43.169 v1(36.088,-43.169) ; v1(32.254,-39.006) 32.534,-38.726 U4.78@32.534,-37.015 ; U6.8@105.189,-31.295 105.449,-31.555 v1(105.449,-37.867)
  Bottom Layer w0.254: v1(32.235,-41.059) 32.235,-39.026 v1(32.254,-39.006) ; v1(36.088,-43.169) 38.891,-43.169 39.354,-43.632 73.029,-43.632 79.033,-37.628 105.21,-37.628 v1(105.449,-37.867)
E0-EN: R27.2 U4.76 U6.1 | length 174.1
  Top Layer w0.254: v1(13.92,-35.273) 24.176,-35.273 26.254,-37.351 31.509,-37.351 31.534,-37.326 U4.76@31.534,-37.015
  Top Layer w0.508: U6.1@105.189,-13.515 109.875,-18.202 114.221,-18.202 115.301,-19.282 R27.2@115.301,-26.485
  Bottom Layer w0.254: v1(13.92,-35.273) 13.92,-4.472 17.716,-0.676 103.759,-0.676 105.189,-2.105 U6.1@105.189,-13.515
E0-STEP: U4.77 U6.7 | length 94.7
  Top Layer w0.254: v1(31.355,-38.969) 32.034,-38.29 U4.77@32.034,-37.015 ; v1(31.359,-41.178) 31.359,-42.617 32.879,-44.137 35.956,-44.137 v1(36.004,-44.089) ; v1@35.913,-43.997 v1@35.949,-43.961 ; U6.7@105.189,-28.755 106.475,-30.041 v1(106.475,-38.513)
  Bottom Layer w0.254: v1(31.355,-38.969) 31.359,-38.973 v1(31.359,-41.178) ; v1(36.004,-44.089) 73.34,-44.089 78.695,-38.734 78.717,-38.734 79.391,-38.06 104.437,-38.06 104.89,-38.513 v1(106.475,-38.513)
E1-DIR: U4.75 U9.8 | length 96.2
  Top Layer w0.254: U4.75@29.984,-35.465 32.577,-35.465 v1(33,-35.041)
  Bottom Layer w0.254: v1(33,-35.041) 34.776,-35.041 35.092,-34.726 42.936,-34.726 43.02,-34.642 43.029,-34.642 43.433,-34.239 53.655,-34.239 56.598,-37.182 117.175,-37.182 120.46,-33.897 U9.8@120.46,-31.295
E1-EN: R38.2 U4.73 U9.1 | length 140.3
  Top Layer w0.254: U4.73@29.984,-34.465 31.68,-34.465 33.759,-32.386 v1(34.565,-32.386) ; v1(116.977,-35.34) 133.541,-35.34 134.479,-34.402 134.479,-25.587 133.879,-24.986 130.714,-24.986 130.679,-24.951
  Top Layer w0.508: U9.1@120.46,-13.515 125.126,-18.181 129.21,-18.181 130.679,-19.65 130.679,-24.951 R38.2@130.679,-26.485
  Bottom Layer w0.254: v1(34.565,-32.386) 42.432,-32.386 43.422,-33.375 54.036,-33.375 56.979,-36.318 116.011,-36.318 116.977,-35.352 v1(116.977,-35.34)
E1-STEP: U4.74 U9.7 | length 99.1
  Top Layer w0.254: U4.74@29.984,-34.965 32.071,-34.965 32.828,-34.208 v1(34.387,-34.208)
  Bottom Layer w0.254: 35.376,-34.208 v1(34.387,-34.208) 34.389,-34.21 42.851,-34.21 43.254,-33.807 53.857,-33.807 56.8,-36.75 116.934,-36.75 119.171,-34.513 119.171,-30.044 U9.7@120.46,-28.755
E2-DIR: U4.72 U10.8 | length 112.6
  Top Layer w0.254: U4.72@29.984,-33.965 31.528,-33.965 33.993,-31.499 v1(34.546,-31.499) ; v1(117.968,-34.641) 132.915,-34.641 v1(132.938,-34.617)
  Bottom Layer w0.254: v1(34.546,-31.499) 42.22,-31.499 43.664,-32.943 54.215,-32.943 57.158,-35.886 115.475,-35.886 116.72,-34.641 v1(117.968,-34.641) ; v1(132.938,-34.617) 135.551,-34.617 136.004,-34.164 136.004,-31.567 U10.8@135.732,-31.295
E2-EN: R44.2 U4.70 U10.1 | length 148.2
  Top Layer w0.254: U4.70@29.984,-32.965 31.154,-32.965 34.431,-29.688 v1(34.532,-29.688) ; v1(117.744,-33.126) v1(131.229,-33.126)
  Top Layer w0.508: U10.1@135.732,-13.515 140.33,-18.113 144.734,-18.113 145.89,-19.27 R44.2@145.89,-26.485
  Bottom Layer w0.254: v1(34.532,-29.688) 41.897,-29.688 44.288,-32.08 54.573,-32.08 57.516,-35.023 115.07,-35.023 116.967,-33.126 v1(117.744,-33.126) ; v1(131.229,-33.126) 133.555,-33.126 134.45,-32.231 134.45,-14.798 U10.1@135.732,-13.515
E2-STEP: U4.71 U10.7 | length 116.7
  Top Layer w0.254: U4.71@29.984,-33.465 31.265,-33.465 34.118,-30.612 v1(34.572,-30.612) ; v1(118.519,-33.836) 133.608,-33.836 v1(133.612,-33.839) ; v1(135.213,-33.863) v1(136.959,-33.863) v1@136.962,-33.866
  Bottom Layer w0.254: v1(34.572,-30.612) 42.023,-30.612 43.923,-32.511 54.394,-32.511 57.337,-35.454 115.249,-35.454 116.868,-33.836 v1(118.519,-33.836) ; v1(133.612,-33.839) 133.635,-33.863 v1@135.046,-33.863 ; v1@135.026,-33.842 v1@135.046,-33.863 ; v1(135.213,-33.863) v1@135.046,-33.863 ; U10.7@135.732,-28.755 135.732,-28.78 137.207,-30.255 137.207,-33.615 v1(136.959,-33.863)
FAN-0: R41.2 R42.1 R43.2 U4.17 | length 70.3
  Top Layer w0.254: U4.17@45.084,-27.465 48.854,-27.465 v1(49.224,-27.835) ; v1(77.408,-33.537) 77.775,-33.17 v1(85.438,-33.17) ; v1(93.155,-32.856) 93.155,-48.151 93.228,-48.225 92.976,-48.477 R42.1@93.238,-48.738
  Top Layer w0.508: R42.1@93.238,-48.738 96.312,-48.738 R41.2@96.331,-48.719
  Bottom Layer w0.254: v1(49.224,-27.835) 52.174,-30.784 55.109,-30.784 58.028,-33.703 77.241,-33.703 v1(77.408,-33.537) ; v1(85.438,-33.17) 85.788,-32.82 93.118,-32.82 v1(93.155,-32.856)
  other v1: 94.001,-48.717
FAN-1: R33.2 R36.1 R37.2 U4.16 | length 71.6
  Top Layer w0.254: U4.16@45.084,-27.965 48.069,-27.965 v1(48.284,-28.18) ; v1(78.229,-33.956) 78.353,-33.831 v1(86.561,-33.831) ; R33.2@85.944,-48.719 86.599,-48.719 92.372,-42.946 v1(92.372,-33.379)
  Top Layer w0.508: R36.1@82.874,-48.738 85.925,-48.738 R33.2@85.944,-48.719
  Bottom Layer w0.254: v1(48.284,-28.18) 51.321,-31.216 54.931,-31.216 57.85,-34.135 78.049,-34.135 v1(78.229,-33.956) ; v1(86.561,-33.831) 87.014,-33.379 v1(92.372,-33.379)
  other v1: 83.644,-48.749